# Altium PCB V1.2-核心板.PcbDoc
Units mil, origin at the board's own origin, x right, y up, seen from the top; angles counter-clockwise.
Board outline 1338.58 x 1338.58 mil, 4 copper layers (Top Layer, GND, PWR, Bottom Layer), stack 61.583 mil thick; 107 components, 68 nets, 420 pads, 88 vias.
Unrouted connection lines stored in the file: 86.
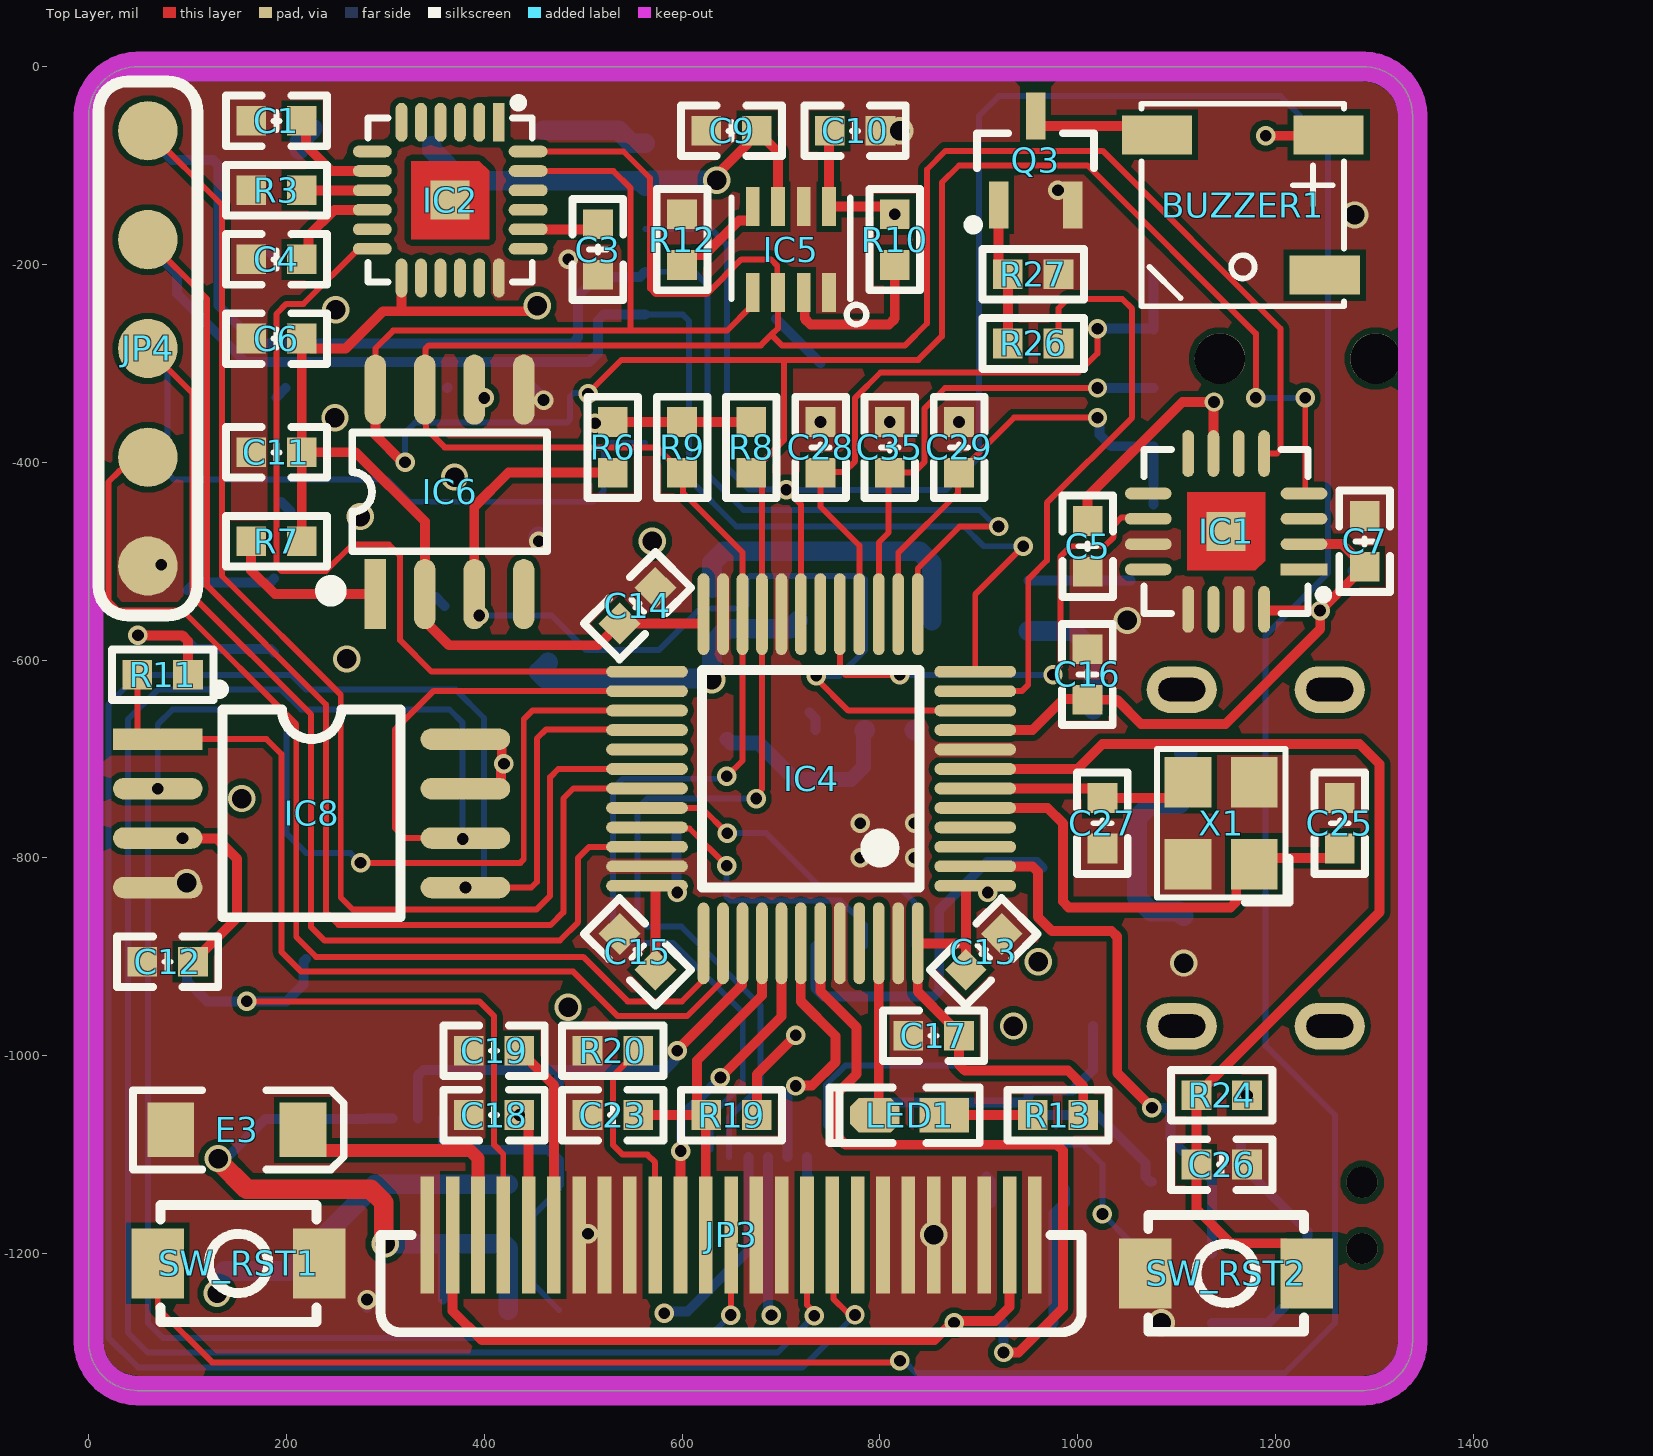
[diagram p0: Top Layer view]
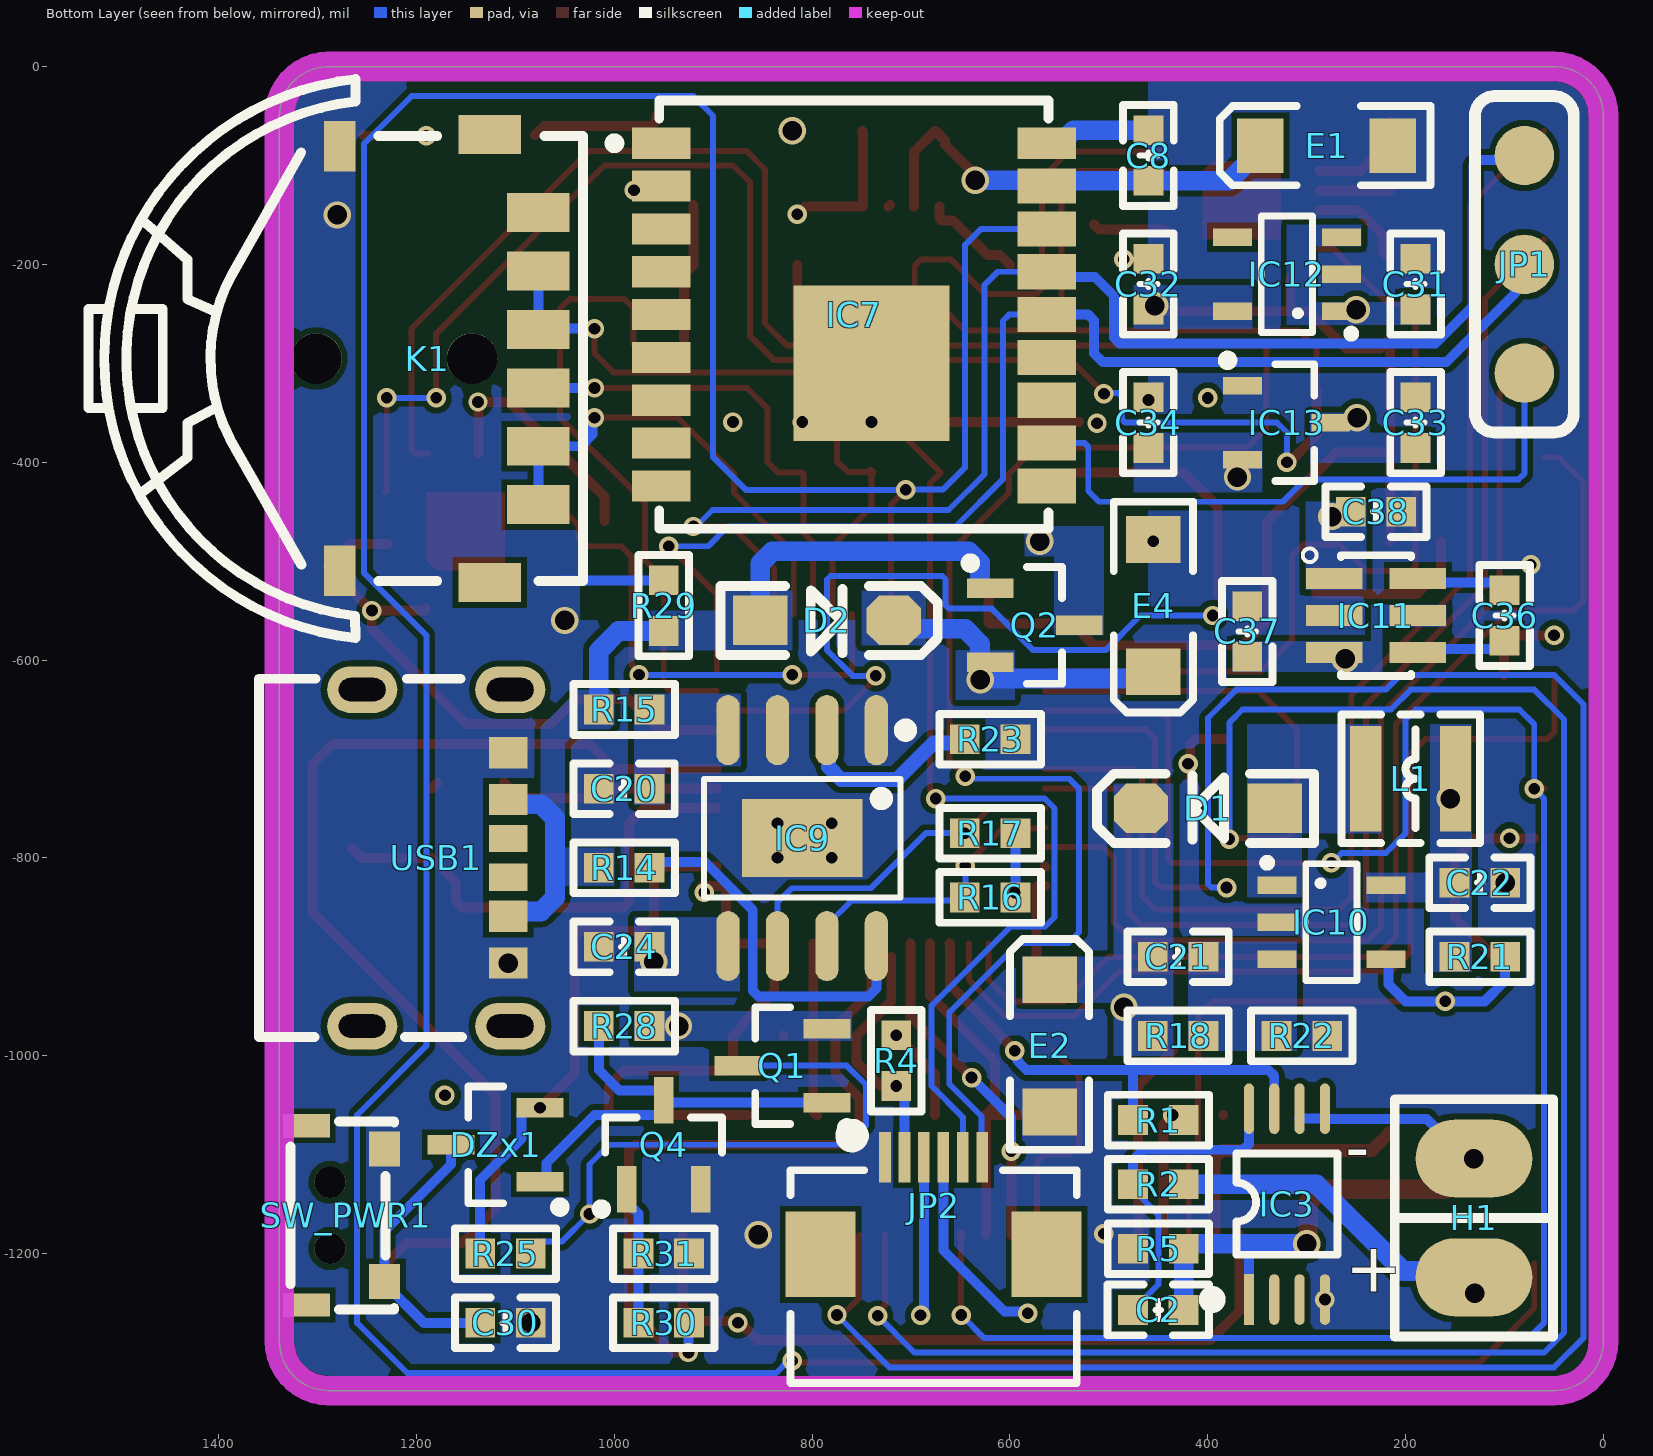
[diagram p1: Bottom Layer view, seen from below]
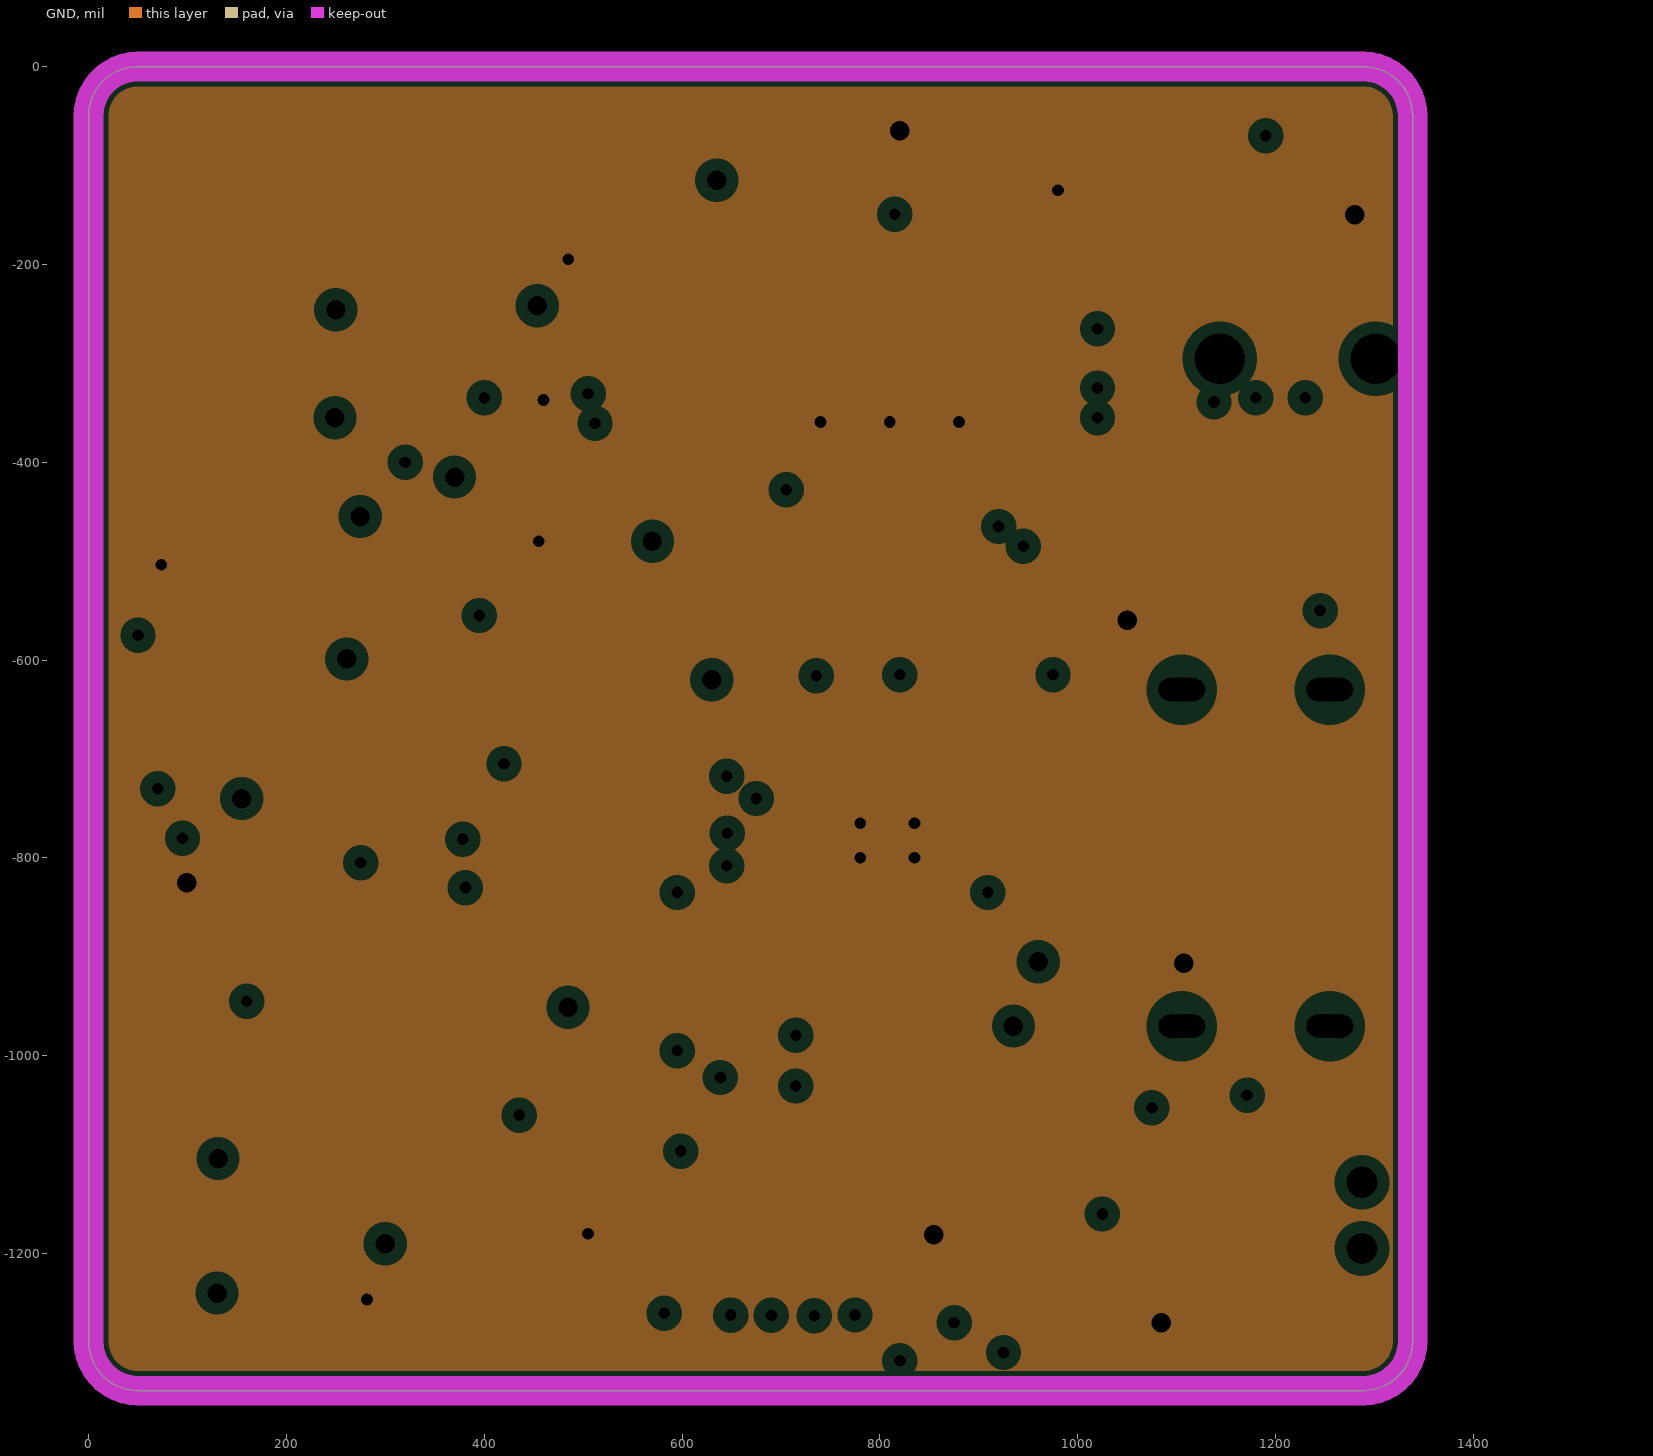
[diagram p2: GND, clearances drawn from the general rule]
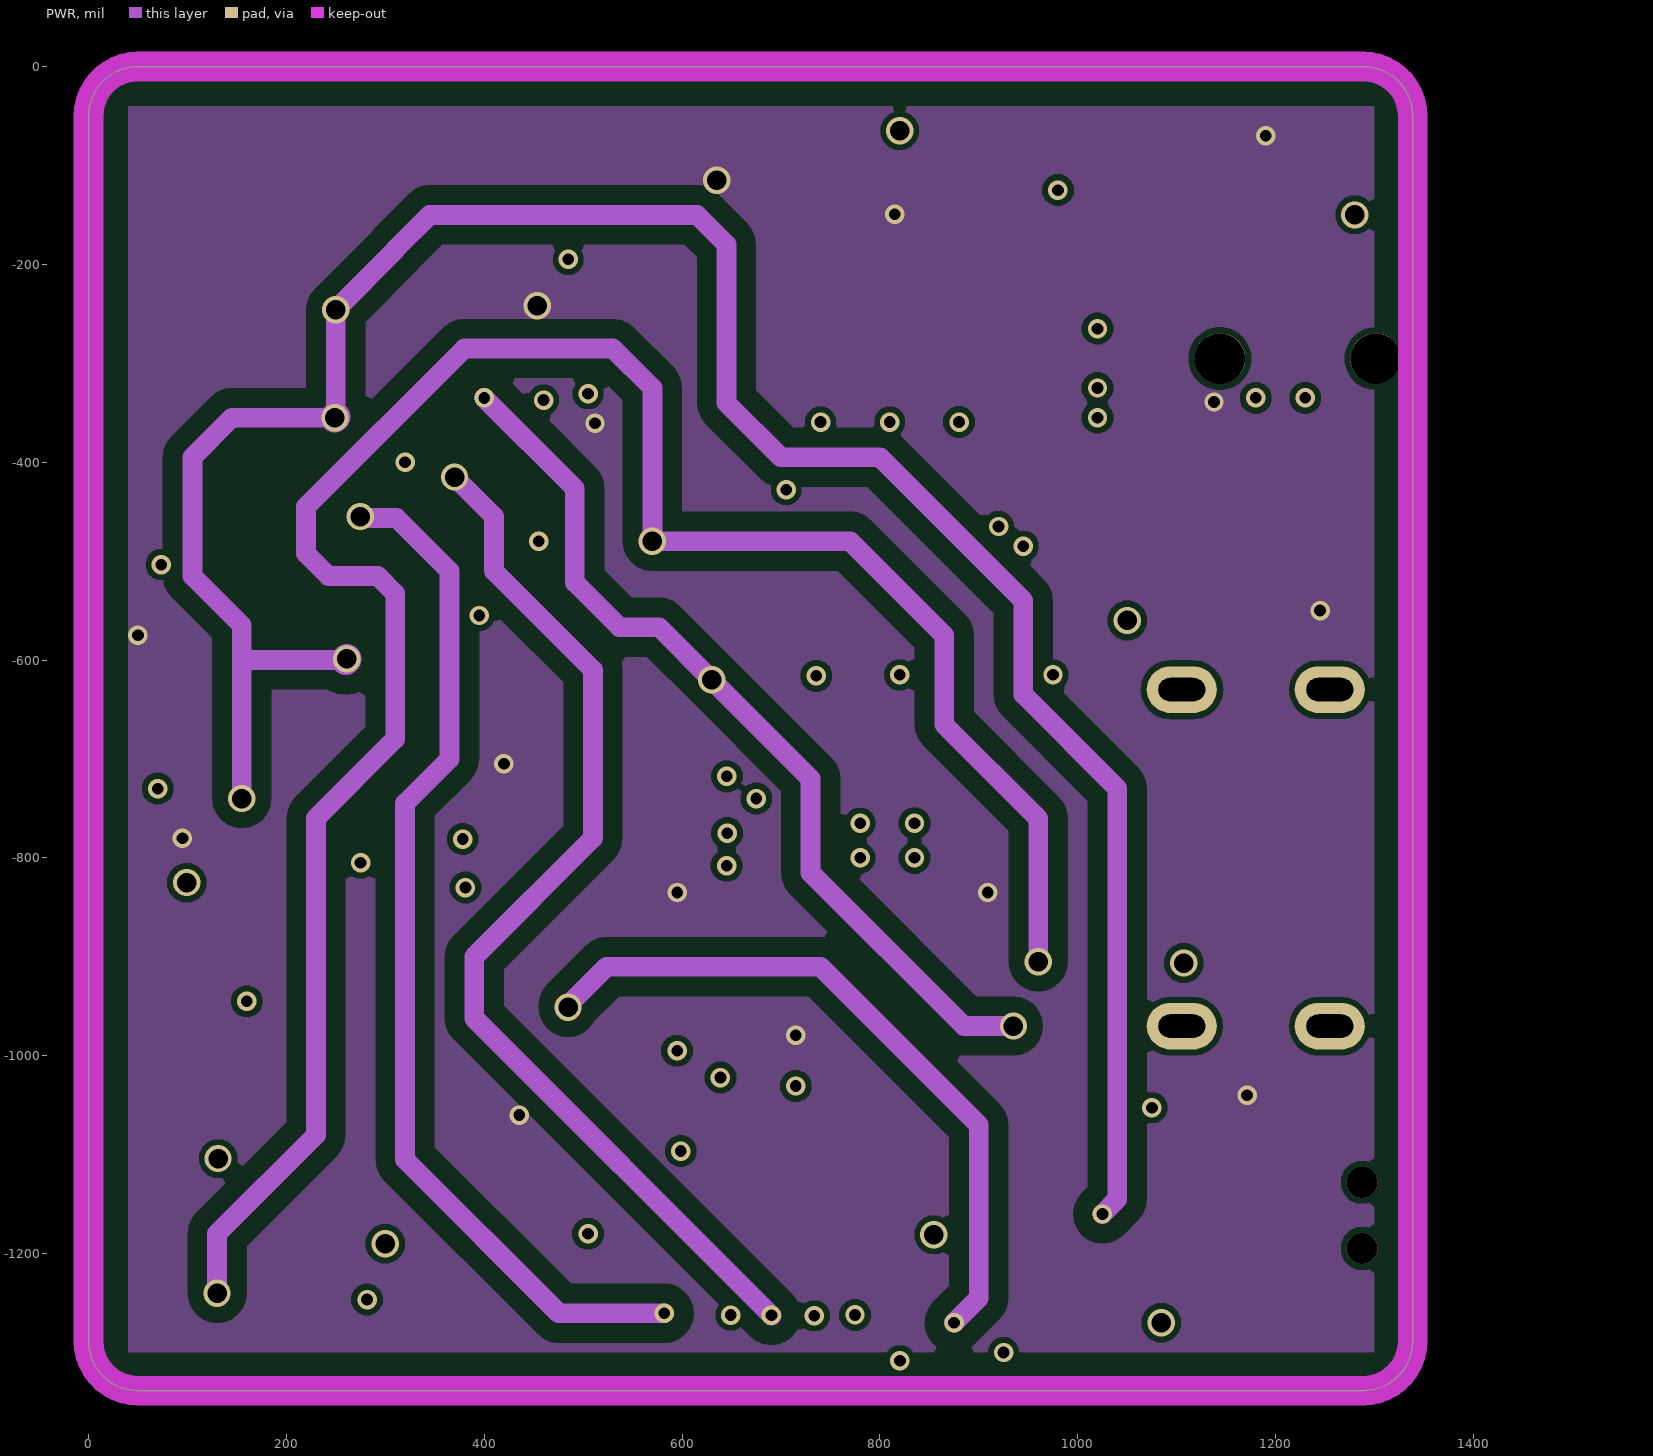
[diagram p3: PWR]
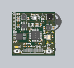
[diagram p4: 3D render of the assembled board from above, using the file's embedded part models]
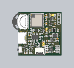
[diagram p5: 3D render of the assembled board from below, using the file's embedded part models]

## Layer stack, top to bottom
Top Solder: solder mask 0.3941, Solder Resist, Dk 3.3
Top Layer: signal copper 1.378
Dielectric 1: prepreg 3.9134, PP, Dk 4.5
GND: plane copper 0.5984, net GND
Dielectric 2: core 49.8031, core, Dk 4.5
PWR: signal copper 0.5984
Dielectric 3: prepreg 3.9134, PP, Dk 4.5
Bottom Layer: signal copper 1.378
Bottom Solder: solder mask 0.3941, Solder Resist, Dk 3.3

## Board outline
0,-1288.58 0,-50 cw(c50,-50) 50,0 1288.58,0 cw(c1288.58,-50) 1338.58,-50 1338.58,-1288.39 1338.58,-1288.58 cw(c1288.58,-1288.58) 1288.58,-1338.58 50,-1338.58 cw(c50,-1288.58)

## Design rules (kind name [scope] priority, off if disabled: settings)
Clearance 铺铜 [OnLayer('PWR') AND  InPoly vs OnLayer('PWR')] p1: gap=20 ignorepadtopadclearanceinfootprint=TRUE
Clearance [Not OnLayer('Keep-Out Layer') AND Not (InComponent('USB1') AND IsVia) vs Not OnLayer('Keep-Out Layer') AND Not (InComponent('USB1') AND IsVia)] p2: gap=6 ignorepadtopadclearanceinfootprint=TRUE
DiffPairsRouting DiffPair_USBC_DiffPairsRouting [InDifferentialPair ('USBC')] p1: maxlimit=7 minlimit=5 mostfreqgap=5 toplayer_minwidth=5 toplayer_maxwidth=7 toplayer_prefwidth=6 midlayer1_minwidth=5 midlayer1_maxwidth=7 midlayer1_prefwidth=6 bottomlayer_minwidth=5 bottomlayer_maxwidth=7 bottomlayer_prefwidth=6 maxuncoupledlength=500
HoleSize [All] p1: absolutevalues=TRUE maxlimit=248.03 minlimit=7.87 maxpercent=80.000 minpercent=20.000
MatchedLengths DiffPair_USBC_MatchedLengths [InDifferentialPair ('USBC')] p1: tolerance=5 checknetsindiffpair=FALSE checkdiffpairvsdiffpair=TRUE checkxsignals=TRUE checkothers=TRUE
MinimumSolderMaskSliver [NOT InComponent('IC8') AND NOT InComponent('K1') AND NOT InComponent('IC2') AND InDifferentialPairClass('All Differential Pairs') vs NOT InComponent('IC8') AND NOT InComponent('K1') AND NOT InComponent('IC2') AND InDifferentialPairClass('All Differential Pairs')] p1: minsoldermaskwidth=3.15
PlaneClearance [All] p1: clearance=12
PlaneConnect [All] p1: planeconnectstyle=Direct reliefexpansion=20 reliefentries=4 reliefconductorwidth=10 reliefairgap=10
PolygonConnect [All] p1: connectstyle=Direct reliefconductorwidth=10 reliefentries=4 polygonreliefangle="90 Angle" airgapwidth=10
RoutingVias [All] p1: holewidth=16 width=28 viastyle="Through Hole" minholewidth=12 minwidth=25 maxholewidth=24 maxwidth=40
SilkToSilkClearance [All] p1: silktosilkclearance=0
SilkToSolderMaskClearance [IsPad] p1: minsilkscreentomaskgap=0 clearancetoexposedcopper=TRUE
SolderMaskExpansion [IsVia] p1: expansion=4 istentingtop=TRUE
Width [All] p1: maxlimit=100 minlimit=3.5 preferedwidth=20
23 further rules are at their usual default settings.

## Components (designator, comment, footprint, x,y, rotation, side; value= is the part's Value field where it differs from the comment)
BUZZER1 "Beep-5020" 5020BUZZER 1165,-140 r90 top
C1 "10nF" "C 0603_L" 190,-55 r180 top
C2 "0.1μF" "C 0603_L" 450.11,-1257.03 r0 bottom
C3 "2.2nF" "C 0603_L" 515,-185 r90 top
C4 "0.1μF" "C 0603_L" 190,-195 r180 top
C5 "0.1μF" "C 0603_L" 1010,-485 r90 top
C6 "0.1μF" "C 0603_L" 190,-275 r0 top
C7 "0.1μF" "C 0603_L" 1290,-480 r270 top
C8 "1μF" "C 0603_L" 460,-90 r90 bottom
C9 "0.1μF" "C 0603_L" 650,-65 r180 top
C10 "0.1μF" "C 0603_L" 775,-65 r0 top
C11 "0.1μF" "C 0603_L" 190,-390 r180 top
C12 "0.1μF" "C 0603_L" 80,-905 r0 top
C13 "4.7μF" "C 0603_L" 905,-895 r225 top
C14 "0.1μF" "C 0603_L" 555,-545 r225 top
C15 "0.1μF" "C 0603_L" 555,-895 r315 top
C16 "0.1μF" "C 0603_L" 1009.86,-614.59 r270 top
C17 "0.1μF" "C 0603_L" 854.34,-979.82 r0 top
C18 "1μF" "C 0603_L" 410,-1060 r0 top
C19 "1μF" "C 0603_L" 410,-995 r0 top
C20 "10μF" "C 0603_L" 990,-730 r180 bottom
C21 "4.7pF" "C 0603_L" 430,-900 r0 bottom
C22 "4.7μF" "C 0603_L" 125,-825 r0 bottom
C23 "0.1μF" "C 0603_L" 530,-1060 r0 top
C24 "10μF" "C 0603_L" 990,-890 r0 bottom
C25 "22pF" "C 0603_L" 1265,-765 r90 top
C26 "0.1μF" "C 0603_L" 1145.59,-1110 r180 top
C27 "22pF" "C 0603_L" 1025,-765 r270 top
C28 "0.1μF" "C 0603_L" 740,-385 r90 top
C29 "0.1μF" "C 0603_L" 880,-385 r90 top
C30 "0.1μF" "C 0603_L" 1110,-1270 r0 bottom
C31 "1μF" "C 0603_L" 190,-220 r90 bottom
C32 "1μF" "C 0603_L" 460,-220 r90 bottom
C33 "1μF" "C 0603_L" 190,-360 r90 bottom
C34 "1μF" "C 0603_L" 460,-360 r90 bottom
C35 "0.1μF" "C 0603_L" 810,-385 r90 top
C36 "2.2μF" "C 0603_L" 100,-555 r270 bottom
C37 "10μF" "C 0603_L" 359.99,-571.11 r270 bottom
C38 "10μF" "C 0603_L" 230,-450 r180 bottom
D1 "1N4148" SOD-123 400,-750 r0 bottom
D2 "B5819W" SOD-123 785,-560 r180 bottom
DZx1 "BAT54C" SOT23-3N 1120,-1090 r90 bottom
E1 "10uF/6.3V" "CD A(3216)" 280,-80 r180 bottom
E2 "4.7uF/35V" "CD A(3216)" 560,-990 r270 bottom
E3 "4.7uF/35V" "CD A(3216)" 150,-1075 r180 top
E4 "100uF/6.3V" "CD A(3216)" 455,-545 r90 bottom
H1 "PAD2" CHARGE_PAD 131,-1154 r180 top
IC1 "AK8975" "QFN16 4x4_M" 1150,-470 r90 top
IC2 "MPU6050" "QFN24 4x4_M" 365.63,-135.08 r180 top
IC3 "DS2740" MSOP8_L 320,-1150 r180 bottom
IC4 "STM32F103CBT6" "LQFP48 7X7_M" 730,-720 r90 top
IC5 "BME280" BME280 710,-185 r270 top
IC6 "DS3231-8PIN" SOP8_N 365,-430 r90 top
IC7 "ESP01F" ESP-01F 757.72,-250.79 r180 bottom
IC8 "W25Q64" SOP8W_N 225.51,-755 r0 top
IC9 "PW4056H" SOP-8_L4.9-W3.9-P1.27-LS6.0-BL-EP3.1 810,-780 r0 bottom
IC10 "TPS61040DBV" SOT23-5L 275,-865 r270 bottom
IC11 "PW5410A" SOT23-6 230,-555 r90 bottom
IC12 "RT9013" SOT23-5L 320,-210 r90 bottom
IC13 "PW6566" SOT23-3L 320,-360 r270 bottom
JP1 "HDR-1X3" TEST_POINT_3 80,-200 r270 top
JP2 "FPC1.0-6P" "FPC0.5 2H-WS-6P" 677.17,-1200.79 r180 bottom locked
JP3 "25pin焊接式FPC" 25pin焊接式FPC 649.61,-1181.1 r0 top locked
JP4 "HDR-1X5" TEST_POINT_5 60,-285 r90 top
K1 "拨轮开关" 拨轮开关 1188.98,-295.28 r0 bottom locked
L1 "6.8uH" NR3015 195,-720 r0 bottom
LED1 "绿色" "LED 0603G" 830,-1060 r180 top
Q1 "AO3401" SOT23-3N 830,-1010 r90 bottom
Q2 "AO3401" SOT23-3N 575,-565 r270 bottom
Q3 "SS8050" SOT23-3N 957.4,-95 r0 top
Q4 "SS8050" SOT23-3N 950,-1090 r180 bottom
R1 "4.7K" "R 0603_L" 450,-1065 r180 bottom
R2 "150" "R 0603_L" 450,-1130 r180 bottom
R3 "10K" "R 0603_L" 190,-125 r180 top
R4 "4.7K" "R 0603_L" 715,-1005 r90 bottom
R5 "10mΩ" "R 0603_L" 450,-1195 r0 bottom
R6 "4.7K" "R 0603_L" 530,-385 r270 top
R7 "4.7K" "R 0603_L" 190,-480 r180 top
R8 "4.7K" "R 0603_L" 670,-385 r270 top
R9 "4.7K" "R 0603_L" 600,-385 r270 top
R10 "10K" "R 0603_L" 815,-175 r90 top
R11 "4.7K" "R 0603_L" 75,-615 r0 top
R12 "10K" "R 0603_L" 600,-175 r270 top
R13 "1K" "R 0603_L" 980,-1060 r0 top
R14 "100K" "R 0603_L" 990,-810 r0 bottom
R15 "2" "R 0603_L" 990,-650 r0 bottom
R16 "4.7K" "R 0603_L" 620,-840 r180 bottom
R17 "4.7K" "R 0603_L" 620,-775 r180 bottom
R18 "2.3M" "R 0603_L" 430,-980 r0 bottom
R19 "10K" "R 0603_L" 650,-1060 r180 top
R20 "1.2M" "R 0603_L" 530,-995 r0 top
R21 "10K" "R 0603_L" 125,-900 r0 bottom
R22 "205K" "R 0603_L" 305,-980 r0 bottom
R23 "2.8K" "R 0603_L" 620,-680 r0 bottom
R24 "10K" "R 0603_L" 1145.59,-1040 r0 top
R25 "22K" "R 0603_L" 1110,-1200 r0 bottom
R26 "10K" "R 0603_L" 955,-280 r180 top
R27 "240K" "R 0603_L" 955,-210 r180 top
R28 "240K" "R 0603_L" 990,-970 r0 bottom
R29 "1M" "R 0603_L" 950,-545 r90 bottom
R30 "2.2K" "R 0603_L" 950,-1270 r180 bottom
R31 "240K" "R 0603_L" 950,-1200 r0 bottom
SW_PWR1 "3" KEY-SMD_UK-B0264-SP25Y 1271.65,-1161.42 r90 bottom locked
SW_RST1 "3x4x2" SW-SMD_L4.0-W3.0-LS4.6 151.69,-1210 r0 top
SW_RST2 "3x4x2" SW-SMD_L4.0-W3.0-LS4.6 1150,-1220 r180 top
USB1 "918-418K2023S40006" USB-C-SMD_918-418K2023S40006 1180,-800 r270 bottom locked
X1 "8M" "OSC 3225-4P" 1145,-765 r90 top

## Footprints (in the part's own frame and the unit in brackets; to place one, negate y for a bottom-side part, rotate by r counter-clockwise, add the part's x,y. Pads: shape width x height; smd on the part's side, far side on the other; paste and mask are expansions set on the pad)
25pin焊接式FPC [mm]
  rect 0.35x3 smd: 1(-7.8,0) 2(-7.15,0) 3(-6.5,0) 4(-5.85,0) 5(-5.2,0) 6(-4.55,0) 7(-3.9,0) 8(-3.25,0) 9(-2.6,0) 10(-1.95,0) 11(-1.3,0) 12(-0.65,0) 13(0,0) 14(0.65,0) 15(1.3,0) 16(1.95,0) 17(2.6,0) 18(3.25,0) 19(3.9,0) 20(4.55,0) 21(5.2,0) 22(5.85,0) 23(6.5,0) 24(7.15,0) 25(7.8,0)
  silkscreen extent -9,-2.5 9,0
5020BUZZER [mm]
  rect 1x1.8 smd: 1(1.8,-2.25) 2(1.8,2.152) 3(-1.801,-2.151)
  silkscreen extent -2.6,-2.65 2.6,2.55, body extent -2.6,-2.7 2.6,2.5, height 2
BME280 [mm]
  rect 1x0.351 smd: 1(1.1,0.98) 2(1.1,0.33) 3(1.1,-0.33) 4(1.1,-0.98) 5(-1.1,-0.98) 6(-1.1,-0.33) 7(-1.1,0.33) 8(-1.1,0.98)
  silkscreen extent -1.33,-1.52 1.92,1.94, body extent -1.29,-1.27 1.21,1.23, height 0.93
"C 0603_L" [mil] "无极性贴片电容"
  rect 30x30 smd: 1(-25.59,0) 2(25.59,0)
  silkscreen extent -51,-26 51,26, body extent -31,-16 31,16, height 32
"CD A(3216)" [mm] "长3.2mm，宽1.6mm，厚1.6mm"
  rect 1.2x1.4 smd: 1(-1.7,0) 2(1.7,0)
  silkscreen extent -2.74,-1.02 2.67,1.02, body extent -1.6,-0.8 1.6,0.8, height 1.6